# Altium PCB LaserControlBoard (extended).PcbDoc (part 1 of 4) (continued)
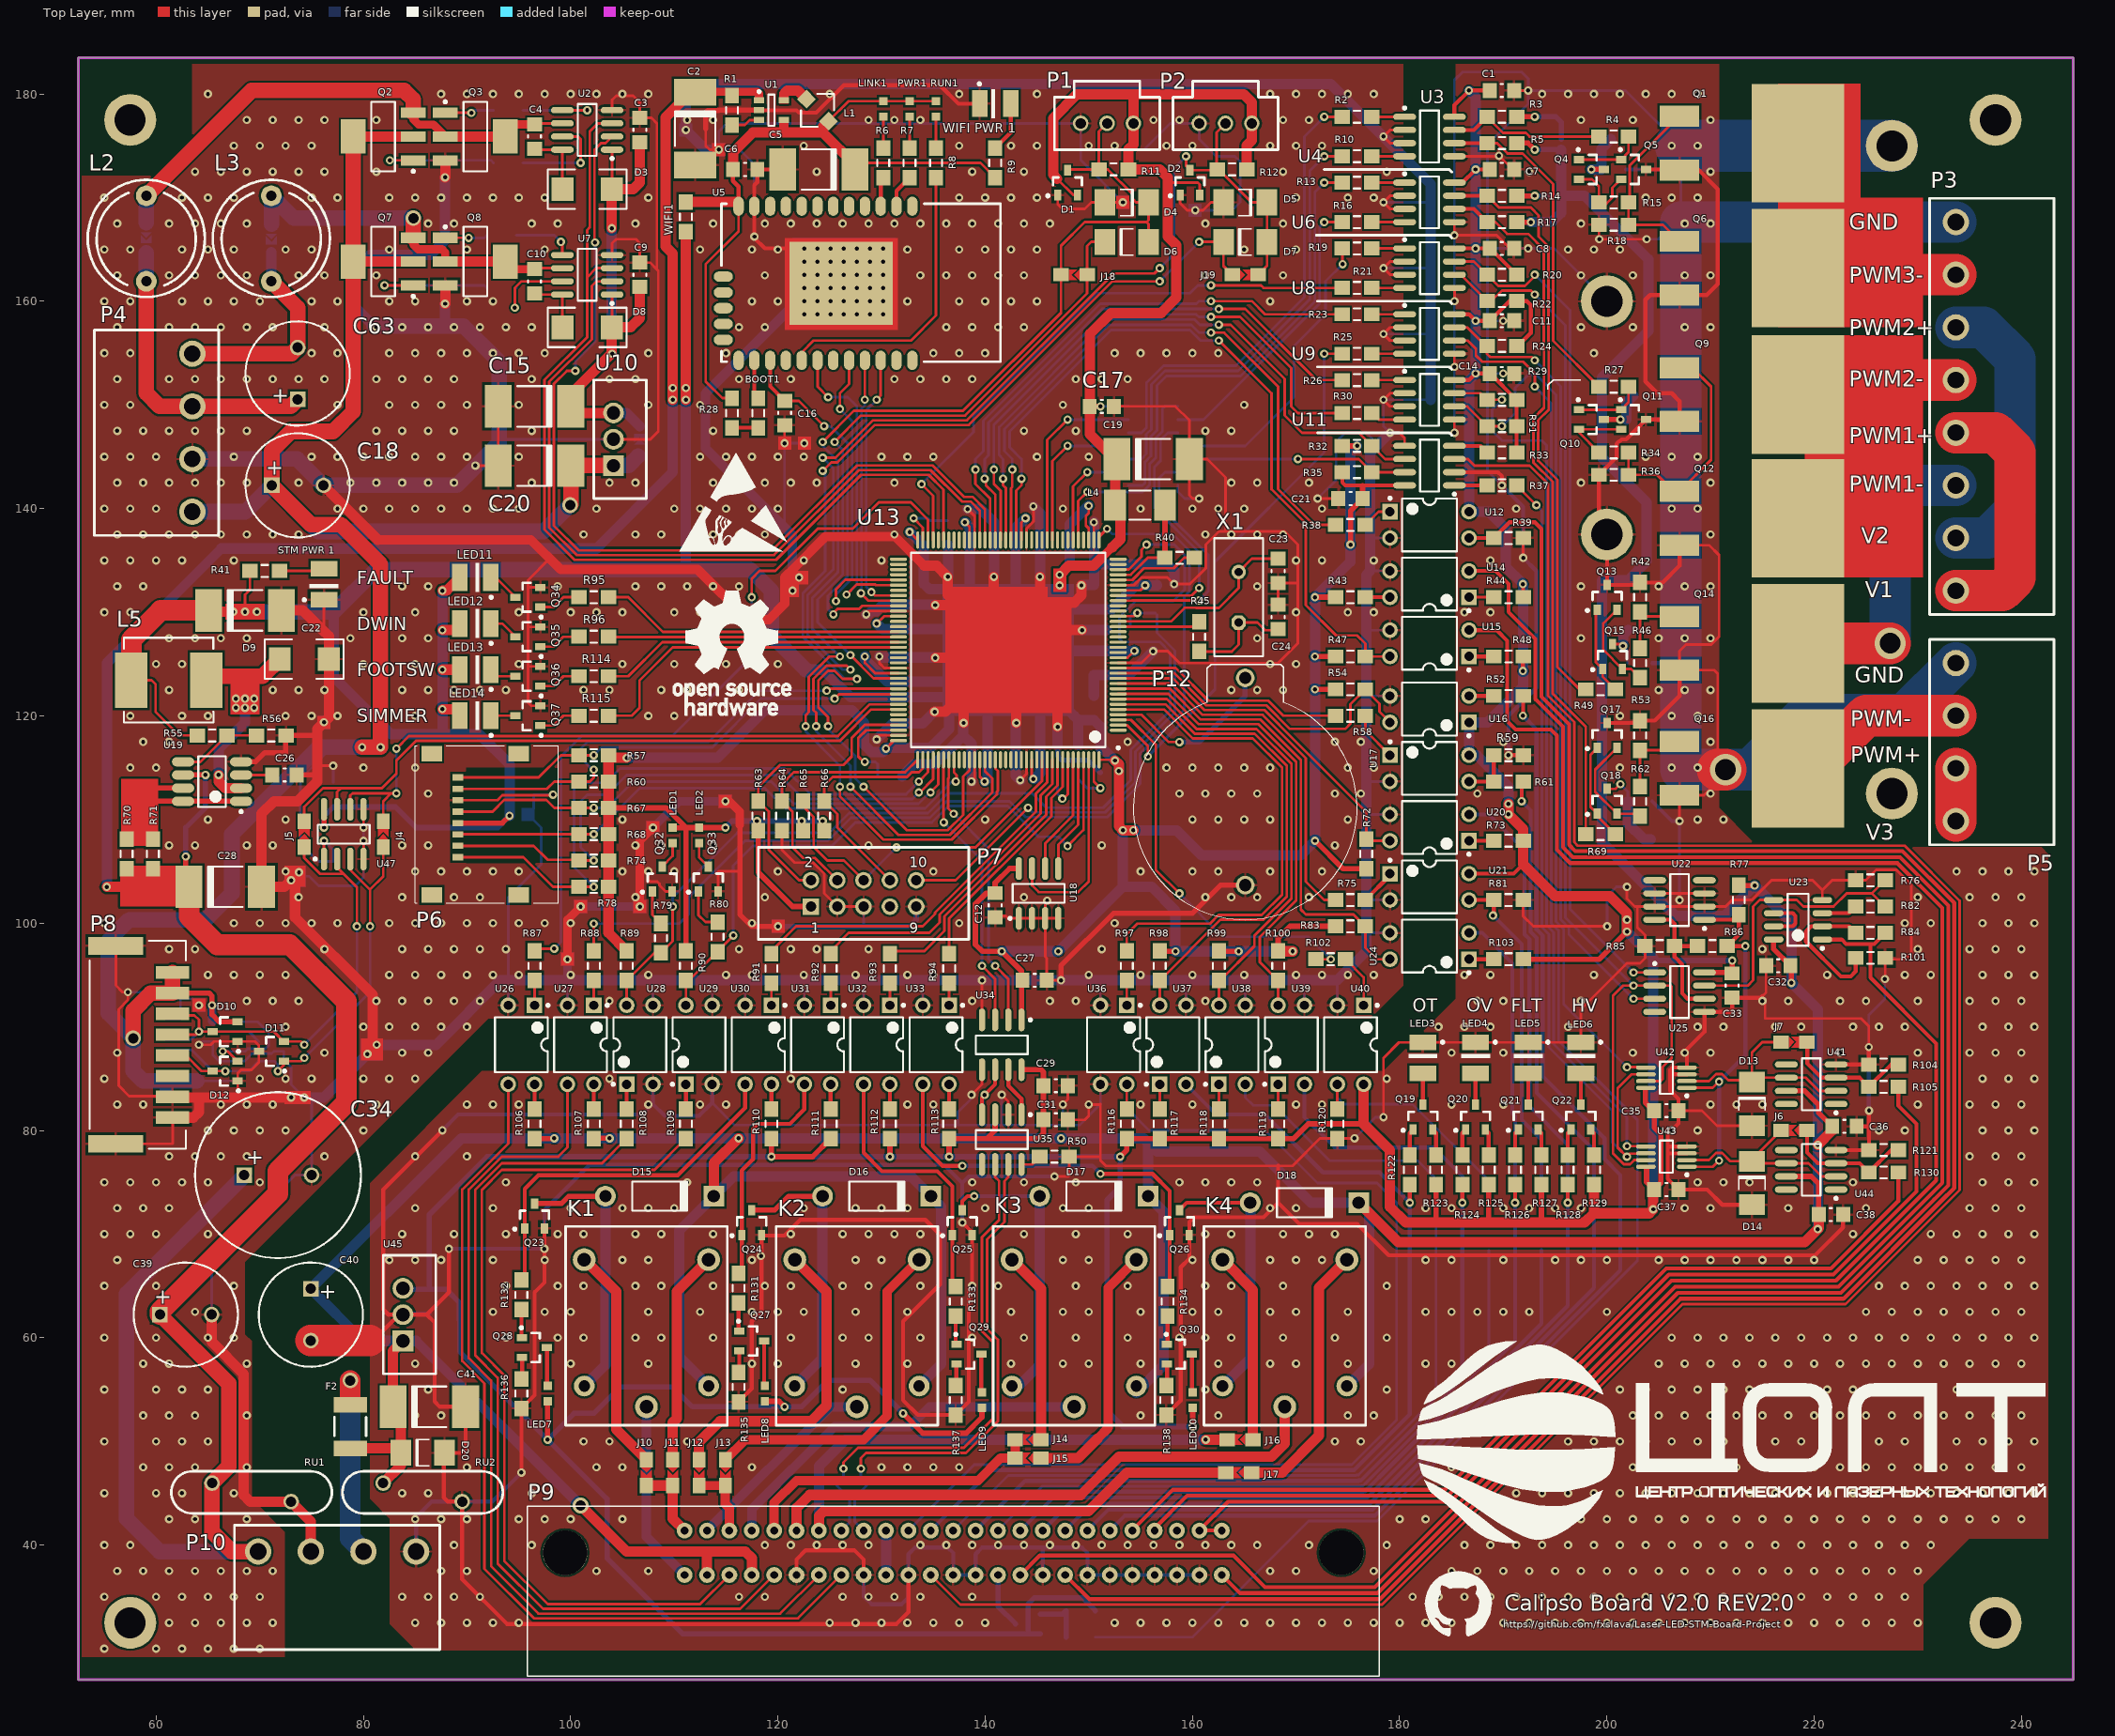
[diagram p0: Top Layer view]
## Components (designator, comment, footprint, x,y, rotation, side; value= is the part's Value field where it differs from the comment) (continued)
D4 "TVS Diode" DO-214AS 153.67,169.545 r180 top
D5 "TVS Diode" DO-214AS 165.1,169.545 r180 top
D6 "TVS Diode" DO-214AS 153.67,165.735 r0 top
D7 "TVS Diode" DO-214AS 165.1,165.735 r0 top
D8 "Diode chip" SMB1 101.6,157.48 r180 top
D9 "Diode chip" SMB1 74.295,125.476 r180 top
D10 "Diode Schottky" SOT23 66.675,89.535 r180 top
D11 "TVS" SOT23 71.12,87.63 r180 top
D12 "Diode Schottky" SOT23 66.675,85.725 r180 top
D13 "TVS Diode" DO-214AS 213.995,82.55 r270 top
D14 "TVS Diode" DO-214AS 213.995,74.93 r270 top
D15 "Diode 1N4007" DO-41 108.585,73.66 r0 top
D16 "Diode 1N4007" DO-41 129.54,73.66 r0 top
D17 "Diode 1N4007" DO-41 150.495,73.66 r0 top
D18 "Diode 1N4007" DO-41 170.815,73.025 r0 top
D20 "TVS Diode" DO-214AS 85.725,48.895 r0 top
D21 "Diode Schottky" SOT23 66.675,89.535 r0 bottom
D22 "TVS" SOT23 71.12,87.63 r0 bottom
D23 "Diode Schottky" SOT23 66.675,85.725 r180 bottom
F2 "Fuse" PTC1812 78.74,51.435 r90 top
J1 "12V Jumper" J0805 106.68,146.685 r90 bottom net-tie
J2 "" J0805 59.055,166.116 r270 bottom net-tie
J3 "" J0805 71.12,165.989 r270 bottom net-tie
J4 "Jumper" J0805 81.915,108.585 r90 top net-tie
J5 "Jumper" J0805 74.295,108.585 r90 top net-tie
J6 "Jumper" J0805 218.059,80.01 r180 top net-tie
J7 "Jumper" J0805 218.059,88.519 r0 top net-tie
J10 "Jumper" J0805 107.315,46.99 r270 top net-tie
J11 "Jumper" J0805 109.855,46.99 r270 top net-tie
J12 "Jumper" J0805 112.395,46.99 r270 top net-tie
J13 "Jumper" J0805 114.935,46.99 r270 top net-tie
J14 "Jumper" J0805 144.145,50.165 r180 top net-tie
J15 "Jumper" J0805 144.145,48.387 r180 top net-tie
J16 "Jumper" J0805 164.592,50.165 r180 top net-tie
J17 "Jumper" J0805 164.465,46.99 r180 top net-tie
J18 "Jumper" J0805 148.59,162.56 r180 top net-tie
J19 "Jumper" J0805 165.1,162.56 r0 top net-tie
K1 "Relay 1 pole" G5LA 107.315,53.34 r90 top
K2 "Relay 1 pole" G5LA 127.635,53.34 r90 top
K3 "Relay 1 pole" G5LA 148.59,53.34 r90 top
K4 "Relay 1 pole" G5LA 168.91,53.34 r90 top
L1 "Inductance" CDRH2D14 123.825,178.435 r90 top
L2 "Inductance" Inductor 59.055,170.18 r270 top
L3 "Inductance" Inductor 71.12,170.18 r270 top
L4 "Inductance" CM45 154.94,140.335 r0 top
L5 "Inductance" IHPL-3232 61.214,123.444 r0 top
L6 "Inductance" CM45 197.993,175.641 r0 bottom
L7 "Inductance" CM45 202.565,153.289 r90 bottom
L8 "Inductance" CM45 204.216,105.664 r270 bottom
L9 "Inductance" CM45 202.057,130.683 r90 bottom
LED1 "LED 0603" "LED 0603" 109.855,108.458 r90 top
LED2 "LED 0603" "LED 0603" 112.395,108.458 r90 top
LED3 "LED 0603" PLCC-2 182.245,86.995 r270 top
LED4 "LED 0603" PLCC-2 187.325,86.995 r270 top
LED5 "LED 0603" PLCC-2 192.405,86.995 r270 top
LED6 "LED 0603" PLCC-2 197.485,86.995 r270 top
LED7 "LED 0603" "LED 0603" 97.79,54.61 r270 top
LED8 "LED 0603" "LED 0603" 118.745,54.61 r270 top
LED9 "LED 0603" "LED 0603" 139.7,53.975 r270 top
LED10 "LED 0603" "LED 0603" 160.02,53.975 r270 top
LED11 "LED 0603" PLCC-2 90.805,133.35 r180 top
LED12 "LED 0603" PLCC-2 90.805,128.905 r180 top
LED13 "LED 0603" PLCC-2 90.805,124.46 r180 top
LED14 "LED 0603" PLCC-2 90.805,120.015 r180 top
LINK1 "LED 0603" "LED 0603" 130.175,178.562 r90 top
P1 "Header 3 Latch" "Header 3 latch" 151.765,177.165 r180 top
P2 "Header 3 Latch" "Header 3 latch" 163.195,177.165 r180 top
P3 "Terminal Block 8x5.08mm" "SOCKET 8x5.08" 233.68,149.86 r180 top
P4 "Terminal Block 4x5.08mm" "Socket 4x5.08" 63.5,147.32 r0 top
P5 "Terminal Block 4x5.08mm" "Socket 4x5.08" 233.68,117.475 r180 top
P6 "Micro SD Card Connector" "WR-CRD SD Micro" 94.996,116.332 r270 top
P7 "IDC-10MS (JTAG connector)" IDC-10MS(MR) 128.27,102.87 r0 top
P8 "FPC_Socket" "MOLEX Header 8 2mm Pitch" 61.595,88.265 r270 top
P9 "CENR-50M" CENR-50M 110.998,41.402 r0 top
P10 "Terminal Block 4x5.08mm" "Socket 4x5.08" 77.47,39.37 r90 top
P11 "FPC_Socket" "Molex FPC/FFC 10pin" 58.42,88.265 r90 bottom
P12 "BH810" BH810 165.1,113.665 r180 top
PWR1 "LED 0603" "LED 0603" 132.715,178.562 r90 top
Q1 "IRFZ44" TO-263AB 218.44,175.26 r270 top
Q2 "IRFL214" SOT-223_N 81.915,175.895 r180 top
Q3 "IRFL214" SOT-223_N 90.805,175.895 r0 top
Q4 "BC847" SOT23 198.501,172.72 r0 top
Q5 "BC857" SOT23 202.565,172.72 r0 top
Q6 "IRFZ44" TO-263AB 218.44,163.195 r270 top
Q7 "IRFL214" SOT-223_N 81.915,163.83 r180 top
Q8 "IRFL214" SOT-223_N 90.805,163.83 r0 top
Q9 "IRFZ44" TO-263AB 218.44,151.003 r270 top
Q10 "BC847" SOT23 198.501,148.59 r0 top
Q11 "BC857" SOT23 202.565,148.59 r0 top
Q12 "IRFZ44" TO-263AB 218.44,139.065 r270 top
Q13 "BC857" SOT23 200.025,131.445 r90 top
Q14 "IRFZ44" TO-263AB 218.44,127 r270 top
Q15 "BC847" SOT23 200.533,125.73 r90 top
Q16 "IRFZ44" TO-263AB 218.44,114.935 r270 top
Q17 "BC857" SOT23 200.025,118.11 r90 top
Q18 "BC847" SOT23 200.025,111.76 r90 top
Q19 "BC857" SOT23 182.245,81.28 r90 top
Q20 "BC857" SOT23 187.325,81.28 r90 top
Q21 "BC857" SOT23 192.405,81.28 r90 top
Q22 "BC857" SOT23 197.485,81.28 r90 top
Q23 "BC847" SOT23 96.52,71.755 r90 top
Q24 "BC847" SOT23 117.475,71.12 r90 top
Q25 "BC847" SOT23 137.795,71.12 r90 top
Q26 "BC847" SOT23 158.75,71.12 r90 top
Q27 "BC847" SOT23 117.475,59.69 r0 top
Q28 "BC847" SOT23 96.52,59.055 r0 top
Q29 "BC847" SOT23 138.43,58.42 r0 top
Q30 "BC847" SOT23 158.75,58.42 r0 top
Q31 "BC857" SOT23 144.145,32.385 r180 bottom
Q32 "BC847" SOT23 108.839,104.267 r90 top
Q33 "BC847" SOT23 113.284,104.267 r90 top
Q34 "BC847" SOT23 95.885,131.445 r180 top
Q35 "BC847" SOT23 95.885,127.635 r180 top
Q36 "BC847" SOT23 95.885,123.825 r180 top
Q37 "BC847" SOT23 95.885,120.015 r180 top
R1 "ChipRes" RES0805 115.57,178.435 r90 top
R2 "ChipRes" RES0805 175.895,177.8 r0 top
R3 "ChipRes" RES0805 189.865,177.8 r0 top
R4 "ChipRes" RES0805 200.66,175.895 r0 top
R5 "ChipRes" RES0805 189.865,175.26 r0 top
R6 "ChipRes" RES0805 130.175,173.355 r270 top
R7 "ChipRes" RES0805 132.715,173.355 r270 top
R8 "ChipRes" RES0805 135.255,173.355 r270 top
R9 "ChipRes" RES0805 140.97,173.355 r270 top
R10 "ChipRes" RES0805 175.895,173.99 r0 top
R11 "ChipRes" RES0805 152.4,172.72 r0 top
R12 "ChipRes" RES0805 163.83,172.72 r0 top
R13 "ChipRes" RES0805 175.895,171.45 r0 top
R14 "ChipRes" RES0805 189.865,170.18 r0 top
R15 "ChipRes" RES0805 200.66,169.545 r0 top
R16 "ChipRes" RES0805 175.895,167.64 r0 top
R17 "ChipRes" RES0805 189.865,167.64 r0 top
R18 "ChipRes" RES0805 200.66,167.386 r0 top
R19 "ChipRes" RES0805 175.895,165.1 r180 top
R20 "ChipRes" RES0805 189.865,162.56 r0 top
R21 "ChipRes" RES0805 175.895,161.29 r180 top
R22 "ChipRes" RES0805 189.865,160.02 r0 top
R23 "ChipRes" RES0805 175.895,158.75 r180 top
R24 "ChipRes" RES0805 189.865,155.702 r0 top
R25 "ChipRes" RES0805 175.895,154.94 r180 top
R26 "ChipRes" RES0805 175.895,152.4 r180 top
R27 "ChipRes" RES0805 200.66,151.765 r0 top
R28 "ChipRes" RES0805 115.57,149.225 r270 top
R29 "ChipRes" RES0805 189.865,150.495 r0 top
R30 "ChipRes" RES0805 175.895,149.225 r180 top
R31 "ChipRes" RES0805 189.865,147.955 r0 top
R32 "ChipRes" RES0805 175.895,146.05 r180 top
R33 "ChipRes" RES0805 189.865,145.415 r0 top
R34 "ChipRes" RES0805 200.66,145.415 r0 top
R35 "ChipRes" RES0805 175.895,143.51 r180 top
R36 "ChipRes" RES0805 200.66,143.256 r0 top
R37 "ChipRes" RES0805 189.865,142.24 r180 top
R38 "ChipRes" RES0805 175.26,138.43 r180 top
R39 "ChipRes" RES0805 190.5,137.16 r180 top
R40 "ChipRes" RES0805 158.75,135.255 r180 top
R41 "ChipRes" RES0805 70.485,133.985 r180 top
R42 "ChipRes" RES0805 203.2,131.445 r270 top
R43 "ChipRes" RES0805 175.26,131.445 r180 top
R44 "ChipRes" RES0805 190.5,131.445 r0 top
R45 "ChipRes" RES0805 160.655,127.635 r270 top
R46 "ChipRes" RES0805 203.2,125.095 r90 top
R47 "ChipRes" RES0805 175.26,125.73 r180 top
R48 "ChipRes" RES0805 190.5,125.73 r0 top
R49 "ChipRes" RES0805 199.39,122.555 r0 top
R50 "ChipRes" RES0805 146.685,77.47 r180 top
R51 "ChipRes" RES0805 127.127,45.72 r0 bottom
R52 "ChipRes" RES0805 190.5,121.92 r180 top
R53 "ChipRes" RES0805 203.2,118.11 r270 top
R54 "ChipRes" RES0805 175.26,122.555 r180 top
R55 "ChipRes" RES0805 65.405,118.11 r0 top
R56 "ChipRes" RES0805 71.12,118.11 r0 top
R57 "ChipRes" RES0805 102.235,116.205 r0 top
R58 "ChipRes" RES0805 175.26,120.015 r180 top
R59 "ChipRes" RES0805 190.5,116.205 r180 top
R60 "ChipRes" RES0805 102.235,113.665 r0 top
R61 "ChipRes" RES0805 190.5,113.665 r180 top
R62 "ChipRes" RES0805 203.2,111.76 r90 top
R63 "ChipRes" RES0805 118.11,110.363 r90 top
R64 "ChipRes" RES0805 120.396,110.363 r90 top
R65 "ChipRes" RES0805 122.428,110.363 r90 top
R66 "ChipRes" RES0805 124.46,110.363 r90 top
R67 "ChipRes" RES0805 102.235,111.125 r0 top
R68 "ChipRes" RES0805 102.235,108.585 r0 top
R69 "ChipRes" RES0805 199.39,108.585 r0 top
R70 "ChipRes" RES0805 57.15,106.68 r270 top
R71 "ChipRes" RES0805 59.69,106.68 r270 top
R72 "ChipRes" RES0805 176.784,106.68 r270 top
R73 "ChipRes" RES0805 190.5,107.95 r0 top
R74 "ChipRes" RES0805 102.235,106.045 r0 top
R75 "ChipRes" RES0805 175.26,102.235 r180 top
R76 "ChipRes" RES0805 225.425,104.14 r180 top
R77 "ChipRes" RES0805 212.725,102.235 r270 top
R78 "ChipRes" RES0805 102.235,103.505 r0 top
R79 "ChipRes" RES0805 108.712,98.552 r90 top
R80 "ChipRes" RES0805 114.173,98.679 r90 top
R81 "ChipRes" RES0805 190.5,102.235 r180 top
R82 "ChipRes" RES0805 225.425,101.6 r0 top
R83 "ChipRes" RES0805 175.26,99.695 r180 top
R84 "ChipRes" RES0805 225.425,99.06 r180 top
R85 "ChipRes" RES0805 205.105,97.79 r0 top
R86 "ChipRes" RES0805 210.185,97.79 r0 top
R87 "ChipRes" RES0805 96.519,95.885 r90 top
R88 "ChipRes" RES0805 102.235,95.885 r90 top
R89 "ChipRes" RES0805 105.409,95.885 r90 top
R90 "ChipRes" RES0805 111.125,95.885 r90 top
R91 "ChipRes" RES0805 119.38,95.631 r90 top
R92 "ChipRes" RES0805 125.095,95.631 r90 top
R93 "ChipRes" RES0805 130.81,95.631 r90 top
R94 "ChipRes" RES0805 136.525,95.631 r90 top
R95 "ChipRes" RES0805 102.235,131.445 r180 top
R96 "ChipRes" RES0805 102.235,127.635 r180 top
R97 "ChipRes" RES0805 153.67,95.885 r90 top
R98 "ChipRes" RES0805 156.845,95.885 r90 top
R99 "ChipRes" RES0805 162.56,95.885 r90 top
R100 "ChipRes" RES0805 168.275,95.885 r90 top
R101 "ChipRes" RES0805 225.425,96.647 r180 top
R102 "ChipRes" RES0805 173.355,96.52 r180 top
R103 "ChipRes" RES0805 190.5,96.52 r0 top
R104 "ChipRes" RES0805 226.695,86.36 r180 top
R105 "ChipRes" RES0805 226.695,84.201 r180 top
R106 "ChipRes" RES0805 96.519,80.645 r270 top
R107 "ChipRes" RES0805 102.235,80.645 r270 top
R108 "ChipRes" RES0805 105.409,80.645 r270 top
R109 "ChipRes" RES0805 111.125,80.645 r270 top
R110 "ChipRes" RES0805 119.379,80.645 r270 top
R111 "ChipRes" RES0805 125.094,80.645 r270 top
R112 "ChipRes" RES0805 130.809,80.645 r270 top
R113 "ChipRes" RES0805 136.524,80.645 r270 top
R114 "ChipRes" RES0805 102.235,123.825 r180 top
R115 "ChipRes" RES0805 102.235,120.015 r180 top
R116 "ChipRes" RES0805 153.67,80.645 r270 top
R117 "ChipRes" RES0805 156.845,80.645 r270 top
R118 "ChipRes" RES0805 162.56,80.645 r270 top
R119 "ChipRes" RES0805 168.275,80.645 r270 top
R120 "ChipRes" RES0805 173.99,80.645 r90 top
R121 "ChipRes" RES0805 226.695,78.105 r180 top
R122 "ChipRes" RES0805 180.975,76.2 r90 top
R123 "ChipRes" RES0805 183.515,76.2 r270 top
R124 "ChipRes" RES0805 186.055,76.2 r90 top
R125 "ChipRes" RES0805 188.595,76.2 r270 top
R126 "ChipRes" RES0805 191.135,76.2 r90 top
R127 "ChipRes" RES0805 193.675,76.2 r270 top
R128 "ChipRes" RES0805 196.215,76.2 r90 top
R129 "ChipRes" RES0805 198.755,76.2 r270 top
R130 "ChipRes" RES0805 226.695,75.946 r0 top
R131 "ChipRes" RES0805 116.205,64.77 r270 top
R132 "ChipRes" RES0805 95.25,64.135 r270 top
R133 "ChipRes" RES0805 137.16,63.5 r270 top
R134 "ChipRes" RES0805 157.607,63.5 r270 top
R135 "ChipRes" RES0805 116.205,55.245 r90 top
R136 "ChipRes" RES0805 95.25,54.61 r90 top
R137 "ChipRes" RES0805 137.16,53.975 r90 top
R138 "ChipRes" RES0805 157.48,53.975 r90 top
R147 "ChipRes" RES0805 93.98,178.435 r180 bottom
R148 "ChipRes" RES0805 93.98,173.355 r180 bottom
R149 "ChipRes" RES0805 93.345,166.37 r0 bottom
R150 "ChipRes" RES0805 93.345,161.29 r0 bottom
R151 "ChipRes" RES0805 156.591,131.191 r270 bottom
R152 "ChipRes" RES0805 148.99,115.765 r270 bottom
R153 "ChipRes" RES0805 146.99,115.765 r270 bottom
R154 "ChipRes" RES0805 193.675,69.85 r90 bottom
R155 "ChipRes" RES0805 188.595,69.85 r90 bottom
R156 "ChipRes" RES0805 149.225,33.655 r0 bottom
R157 "ChipRes" RES0805 149.225,31.115 r180 bottom
RU1 "Varistor S14F25" S14K25 69.215,45.085 r180 top
RU2 "Varistor S14F25" S14K25 85.725,45.085 r180 top
RUN1 "LED 0603" "LED 0603" 135.255,178.562 r90 top
"STM PWR 1" "LED" PLCC-2 76.2,132.715 r90 top
U1 "LM3671" SOT23-5 119.38,178.435 r0 top
U2 "IR2104" SOIC8 101.6,176.53 r180 top
U3 "HCPL0631" SOIC8 182.88,175.895 r0 top
U4 "HCPL0631" SOIC8 182.88,169.545 r0 top
U5 "SPWF01SA" SPWF01SA 116.205,154.305 r0 top
U6 "HCPL0631" SOIC8 182.88,163.195 r0 top
U7 "IR2104" SOIC8 101.6,162.56 r180 top
U8 "HCPL0631" SOIC8 182.88,156.845 r0 top
U9 "HCPL0631" SOIC8 182.88,150.495 r0 top
U10 "LM7812" TO-220 104.14,146.685 r90 top
U11 "HCPL0631" SOIC8 182.88,144.145 r180 top
U12 "Optoisolator1" DIP-4 182.88,138.43 r0 top
U13 "STM32F407" LQFP144 142.24,126.365 r180 top locked
U14 "Optoisolator1" DIP-4 182.88,132.715 r180 top
U15 "Optoisolator1" DIP-4 182.88,127 r180 top
U16 "Optoisolator1" DIP-4 182.88,120.65 r180 top
U17 "Optoisolator1" DIP-4 182.88,114.935 r0 top
U18 "M24256" SOIC8 145.161,102.87 r90 top
U19 "MC34063" SOP8 65.405,113.665 r180 top
U20 "Optoisolator1" DIP-4 182.88,109.22 r180 top
U21 "Optoisolator1" DIP-4 182.88,103.505 r0 top
U22 "TL431ACD" D008_N 207.01,102.235 r180 top
U23 "LM358AD" D008_L 218.44,100.33 r180 top
U24 "Optoisolator1" DIP-4 182.88,97.79 r180 top
U25 "TLC6515CD" SOIC8 207.01,93.345 r0 top
U26 "Optoisolator1" DIP-4 95.249,88.265 r270 top
U27 "Optoisolator1" DIP-4 100.965,88.265 r270 top
U28 "Optoisolator1" DIP-4 106.679,88.265 r90 top
U29 "Optoisolator1" DIP-4 112.395,88.265 r90 top
U30 "Optoisolator1" DIP-4 118.109,88.265 r270 top
U31 "Optoisolator1" DIP-4 123.824,88.265 r270 top
U32 "Optoisolator1" DIP-4 129.539,88.265 r270 top
U33 "Optoisolator1" DIP-4 135.254,88.265 r270 top
U34 "HCPL-0931" SOIC8 141.605,88.265 r270 top
U35 "MCP2551" SOIC8 141.605,79.121 r270 top
U36 "Optoisolator1" DIP-4 152.4,88.265 r270 top
U37 "Optoisolator1" DIP-4 158.115,88.265 r90 top
U38 "Optoisolator1" DIP-4 163.83,88.265 r90 top
U39 "Optoisolator1" DIP-4 169.545,88.265 r90 top
U40 "Optoisolator1" DIP-4 175.26,88.265 r270 top
U41 "MCP601" SOIC8 219.71,84.455 r180 top
U42 "MCP3201-CI/MS" MSOP8 205.74,85.09 r180 top
U43 "MCP3201-CI/MS" MSOP8 205.74,77.47 r180 top
U44 "MCP601" SOIC8 219.71,76.2 r180 top
U45 "LM7805" TO-220 83.82,62.23 r90 top
U46 "SN74AC04D" D014_N 156.21,146.05 r180 bottom
U47 "HCPL-0931" SOIC8 78.105,108.585 r90 top
WIFI1 "ChipRes" RES0805 111.125,168.148 r270 top
"WIFI PWR 1" "LED" PLCC-2 140.97,179.07 r0 top locked
X1 "XTAL" BCY-W2/E4.7 164.465,131.445 r90 top

## Footprints (in the part's own frame and the unit in brackets; to place one, negate y for a bottom-side part, rotate by r counter-clockwise, add the part's x,y. Pads: shape width x height; smd on the part's side, far side on the other; paste and mask are expansions set on the pad)
BCY-W2/E4.7 [mm] "Quartz Crystal, Thru-Hole; 2 Leads; Body 11.35 x 4.65 x 13.46 mm (LxWxH max)"
  oct 1.4x1.4 hole 0.8: 1(-2.44,0)
  round 1.4 hole 0.8: 2(2.44,0)
  silkscreen extent -5.7,-2.35 5.7,2.35, body extent -5.67,-2.32 5.68,2.33, height 3.6
BH810 [mm] "Battery Holder"
  round 1.8 hole 1.2: 1(0,10) 2(0,-10)
  silkscreen extent -10.79,-11.3 10.79,13.33, body extent -11,-11.21 11,13.29, height 8.5
CAP0805 [mm]
  rect 1.35x1.45 smd: 1(-1.175,0) 2(1.175,0)
  silkscreen extent -0.1,-0.63 0.1,0.63, body extent -1,-0.62 1,0.63, height 0.3
CAPC7343 [mm] "Chip Capacitor, Body 7.3x4.3mm, IPC Medium Density"
  rect 2.6x4.1 smd: 1(-3.5,0) 2(3.5,0)
  silkscreen extent -1.65,-1.95 1.65,1.95, body extent -3.8,-2.3 3.8,2.3, height 3.1
CAPPR5-10x17_1 [mm] "Capacitor, Electrolytic, Radial; Body 10 x 17 mm (Dia.xH typ); Pin Spacing 5 mm (typ)"
  rect 1.5x1.5 hole 1: 1(-2.5,0)
  round 1.5 hole 1: 2(2.5,0)
  silkscreen extent -5.02,-5.02 5.03,5.02, body extent -5.03,-5 5.03,5.05, height 13.03
CAPPR7.5-16x25_1 [mm] "Capacitor, Electrolytic, Radial; Body 16 x 25 mm (Dia.xH typ); Pin Spacing 7.5 mm (typ)"
  rect 1.5x1.5 hole 1: 1(-3.25,0)
  round 1.5 hole 1: 2(3.25,0)
  silkscreen extent -8,-8 8,8
CDRH2D14 [mm] "Chip Inductor, 2-Leads, Body 3.20x3.20x1.55mm"
  rect 1.3x1.3 smd rot 135: 1(-1.061,-1.061) 2(1.061,1.061)
  silkscreen extent -1.59,-1.59 1.59,1.59, body extent -1.54,-1.54 1.54,1.54, height 2
CENR-50M [mil] "Centronic 50pin, PCB mount, right angle"
  round 60 hole 30: 1(0,0) 2(85.04,0) 3(170.08,0) 4(255.12,0) 5(340.16,0) 6(425.2,0) 7(510.24,0) 8(595.28,0) 9(680.31,0) 10(765.35,0) 11(850.39,0) 12(935.43,0) 13(1020.47,0) 14(1105.51,0) 15(1190.55,0) 16(1275.59,0) 17(1360.63,0) 18(1445.67,0) 19(1530.71,0) 20(1615.75,0) 21(1700.79,0) 22(1785.83,0) 23(1870.87,0) 24(1955.91,0) 25(2040.94,0) 26(0,-168.9) 27(85.04,-168.9) 28(170.08,-168.9) 29(255.12,-168.9) 30(340.16,-168.9) 31(425.2,-168.9) 32(510.24,-168.9) 33(595.28,-168.9) 34(680.31,-168.9) 35(765.35,-168.9) 36(850.39,-168.9) 37(935.43,-168.9) 38(1020.47,-168.9) 39(1105.51,-168.9) 40(1190.55,-168.9) 41(1275.59,-168.9) 42(1360.63,-168.9) 43(1445.67,-168.9) 44(1530.71,-168.9) 45(1615.75,-168.9) 46(1700.79,-168.9) 47(1785.83,-168.9) 48(1870.87,-168.9) 49(1955.91,-168.9) 50(2040.94,-168.9)
  round 168.9 hole 168.9 unplated: NC(-453.94,-84.45) NC(2494.88,-84.45)
  silkscreen extent -598,-553 2639,93, body extent -720,-1548 2761,90, height 611
CM45 [mm]
  rect 2.1x2.99 smd: 1(-2.405,0) 2(2.405,0)
  silkscreen extent -1,-1.39 1,1.4, body extent -2.25,-1.59 2.25,1.61, height 3.2
D008_L [mm] "SOIC, 8-Leads, Body 4.9x3.9mm, Pitch 1.27mm, IPC High Density"
  oval 1.9x0.6 smd: 1(-2.35,1.905) 2(-2.35,0.635) 3(-2.35,-0.635) 4(-2.35,-1.905) 5(2.35,-1.905) 6(2.35,-0.635) 7(2.35,0.635) 8(2.35,1.905)
  silkscreen extent -2.48,-2.5 1,2.88, body extent -2,-2.5 2,2.5, height 1.75
D008_N [mm] "SOIC, 8-Leads, Body 4.9x3.9mm, Pitch 1.27mm, IPC Medium Density"
  oval 2.2x0.6 smd: 1(-2.4,1.905) 2(-2.4,0.635) 3(-2.4,-0.635) 4(-2.4,-1.905) 5(2.4,-1.905) 6(2.4,-0.635) 7(2.4,0.635) 8(2.4,1.905)
  silkscreen extent -2.53,-2.5 0.9,2.88, body extent -2,-2.5 2,2.5, height 1.75
D014_N [mm] "SOIC, 14-Leads, Body 8.7x3.9mm, Pitch 1.27mm, IPC Medium Density"
  oval 2.2x0.6 smd: 1(-2.4,3.81) 2(-2.4,2.54) 3(-2.4,1.27) 4(-2.4,0) 5(-2.4,-1.27) 6(-2.4,-2.54) 7(-2.4,-3.81) 8(2.4,-3.81) 9(2.4,-2.54) 10(2.4,-1.27) 11(2.4,0) 12(2.4,1.27) 13(2.4,2.54) 14(2.4,3.81)
  silkscreen extent -2.53,-4.4 0.9,4.78, body extent -3,-4.4 3,4.4, height 1.7
DIP-4 [mm] "DIP; 4 Leads; Row Spacing 7.62 mm; Pitch 2.54 mm"
  rect 1.5x1.5 hole 0.9: 1(-3.81,1.27)
  round 1.5 hole 0.9: 2(-3.81,-1.27) 3(3.81,-1.27) 4(3.81,1.27)
  silkscreen extent -3.93,-2.55 2.65,2.69, body extent -3.94,-2.3 3.94,2.3, height 4.3
DO-41 [mm] "Diode, Axial; Body 5.2 x 2.7 mm (LxDia. max), Lead Dia. 0.86 mm (max)"
  round 2 hole 1.2: 1(-5.23,0)
  rect 2x2 hole 1.2: 2(5.23,0)
  silkscreen extent -2.65,-1.4 2.75,1.4
DO-214AS [mm]
  rect 2x2.5 smd: 1(-2.1,0) 2(2.1,0)
  silkscreen extent -0.64,-1.27 0.64,1.27, body extent -2.74,-1.4 2.74,1.4, height 2.3
G5LA [mm] "Cubic, Single-pole 10A Power Relay"
  round 2.2 hole 1.3: 1(0,0) 3(14.2,6) 4(14.2,-6)
  round 2 hole 1.1: 2(2,6) 5(2,-6)
  silkscreen extent -1.78,-7.8 17.4,7.8, body extent -1.59,-7.95 17.91,7.95, height 15
"Header 3 latch" [mm]
  round 1.5 hole 1: 1(-2.54,0) 2(0,0) 3(2.54,0)
  silkscreen extent -5.08,-4.06 5.08,2.54, body extent -5.08,-4.06 5.08,2.54, height 13.6
IDC-10MS(MR) [mm]
  rect 1.6x1.6 hole 1: 1(-5.08,-1.27)
  round 1.6 hole 1: 2(-5.08,1.27) 3(-2.54,-1.27) 4(-2.54,1.27) 5(0,-1.27) 6(0,1.27) 7(2.54,-1.27) 8(2.54,1.27) 9(5.08,-1.27) 10(5.08,1.27)
  silkscreen extent -10.16,-4.44 10.16,4.44, body extent -10.2,-4.9 10.2,4.44, height 9.41
IHPL-3232 [mm] "Low Profile, High Current IHPL Inductor"
  rect 3.125x5.334 smd: 1(-3.613,0) 2(3.613,0)
  silkscreen extent -4.32,-4.09 4.32,4.09, body extent -4.32,-4.09 4.32,4.09, height 4
Inductor [mm]
  round 2 hole 1: 1(0,0) 2(8.255,0)
  silkscreen extent -1.53,-5.65 9.76,5.65
J0805 [mm]
  rect 1.5x1.25 smd: 0(-1.25,0) 1(1.25,0)
  Top Layer region: -0.254,0.508 0.254,0 -0.254,-0.508 0.508,-0.508 0.508,0.508
  Top Layer region: -0.508,-0.508 -0.508,0.508 0,0
  body extent -1,-0.63 1,0.63, height 0.75
"LED 0603" [mm]
  rect 0.8x0.8 smd: 1(-0.75,0) 2(0.75,0)
  body extent -0.85,-0.45 0.85,0.45, height 0.9
LQFP144 [mm] "TSQFP, 144-Leads, Body 20.00x20.00mm, Pitch 0.50mm, IPC Medium Density"
  oval 1.65x0.3 smd: 3(-10.6,7.75) 4(-10.6,7.25) 5(-10.6,6.75) 6(-10.6,6.25) 7(-10.6,5.75) 8(-10.6,5.25) 9(-10.6,4.75) 10(-10.6,4.25) 11(-10.6,3.75) 12(-10.6,3.25) 13(-10.6,2.75) 14(-10.6,2.25) 15(-10.6,1.75) 16(-10.6,1.25) 17(-10.6,0.75) 18(-10.6,0.25) 19(-10.6,-0.25) 20(-10.6,-0.75) 21(-10.6,-1.25) 22(-10.6,-1.75) 23(-10.6,-2.25) 24(-10.6,-2.75) 25(-10.6,-3.25) 26(-10.6,-3.75) 27(-10.6,-4.25) 28(-10.6,-4.75) 29(-10.6,-5.25) 30(-10.6,-5.75) 31(-10.6,-6.25) 32(-10.6,-6.75) 33(-10.6,-7.25) 34(-10.6,-7.75) 35(-10.6,-8.25) 36(-10.6,-8.75) 73(10.6,-8.75) 74(10.6,-8.25) 75(10.6,-7.75) 76(10.6,-7.25) 77(10.6,-6.75) 78(10.6,-6.25) 79(10.6,-5.75) 80(10.6,-5.25) 81(10.6,-4.75) 82(10.6,-4.25) 83(10.6,-3.75) 84(10.6,-3.25) 85(10.6,-2.75) 86(10.6,-2.25) 87(10.6,-1.75) 88(10.6,-1.25) 89(10.6,-0.75) 90(10.6,-0.25) 91(10.6,0.25) 92(10.6,0.75) 93(10.6,1.25) 94(10.6,1.75) 95(10.6,2.25) 96(10.6,2.75) 97(10.6,3.25) 98(10.6,3.75) 99(10.6,4.25) 100(10.6,4.75) 101(10.6,5.25) 102(10.6,5.75) 103(10.6,6.25) 104(10.6,6.75) 105(10.6,7.25) 106(10.6,7.75) 107(10.6,8.25) 108(10.6,8.75)
  oval 0.3x1.65 smd: 37(-8.75,-10.6) 38(-8.25,-10.6) 39(-7.75,-10.6) 40(-7.25,-10.6) 41(-6.75,-10.6) 42(-6.25,-10.6) 43(-5.75,-10.6) 44(-5.25,-10.6) 45(-4.75,-10.6) 46(-4.25,-10.6) 47(-3.75,-10.6) 48(-3.25,-10.6) 49(-2.75,-10.6) 50(-2.25,-10.6) 51(-1.75,-10.6) 52(-1.25,-10.6) 53(-0.75,-10.6) 54(-0.25,-10.6) 55(0.25,-10.6) 56(0.75,-10.6) 57(1.25,-10.6) 58(1.75,-10.6) 59(2.25,-10.6) 60(2.75,-10.6) 61(3.25,-10.6) 62(3.75,-10.6) 63(4.25,-10.6) 64(4.75,-10.6) 65(5.25,-10.6) 66(5.75,-10.6) 67(6.25,-10.6) 68(6.75,-10.6) 69(7.25,-10.6) 70(7.75,-10.6) 71(8.25,-10.6) 72(8.75,-10.6) 109(8.75,10.6) 110(8.25,10.6) 111(7.75,10.6) 112(7.25,10.6) 113(6.75,10.6) 114(6.25,10.6) 115(5.75,10.6) 116(5.25,10.6) 117(4.75,10.6) 118(4.25,10.6) 119(3.75,10.6) 120(3.25,10.6) 121(2.75,10.6) 122(2.25,10.6) 123(1.75,10.6) 124(1.25,10.6) 125(0.75,10.6) 126(0.25,10.6) 127(-0.25,10.6) 128(-0.75,10.6) 129(-1.25,10.6) 130(-1.75,10.6) 131(-2.25,10.6) 132(-2.75,10.6) 133(-3.25,10.6) 134(-3.75,10.6) 135(-4.25,10.6) 136(-4.75,10.6) 137(-5.25,10.6) 138(-5.75,10.6) 139(-6.25,10.6) 140(-6.75,10.6) 141(-7.25,10.6) 142(-7.75,10.6) 143(-8.25,10.6) 144(-8.75,10.6)
  silkscreen extent -10.73,-9.38 9.38,9.57, body extent -11.07,-11.05 11.07,11.1, height 1.6
"Molex FPC/FFC 10pin" [mm] "Molex FPC/FFC 10pin Non-ZIF Connector 10pin"
  rect 0.6x1.9 smd: 1(-4.5,2.54) 2(-3.5,2.54) 3(-2.5,2.54) 4(-1.5,2.54) 5(-0.5,2.54) 6(0.5,2.54) 7(1.5,2.54) 8(2.5,2.54) 9(3.5,2.54) 10(4.5,2.54)
  rect 2.1x2.8 smd: 11(-7.65,0.19) 12(7.65,0.19)
  silkscreen extent -8.25,-3.56 8.13,2.03, body extent -8.15,-3.53 8.15,3.27, height 3.1
"MOLEX Header 8 2mm Pitch" [mm] "CONN FFC FPC 10POS 0.50MM R/A"
  rect 1.2x3.2 smd: 1(-6.985,0) 2(-4.985,0) 3(-2.985,0) 4(-0.985,0) 5(1.015,0) 6(3.015,0) 7(5.015,0) 8(7.015,0)
  rect 1.7x5.3 smd: 9(-9.55,-5.48) 10(9.55,-5.48)
  silkscreen extent -10.03,-8 10.03,1.27, body extent -10,-8.07 10,1.33, height 6.41
MSOP8 [mm] "Surface mounted, 8 pin package"
  oval 1.9x0.41 smd: 1(-1.975,0.975) 2(-1.975,0.325) 3(-1.975,-0.325) 4(-1.975,-0.975) 5(1.975,-0.975) 6(1.975,-0.325) 7(1.975,0.325) 8(1.975,0.975)
  silkscreen extent -2.1,-1.55 0.63,1.87, body extent -2.45,-1.5 2.45,1.5, height 1.15
PLCC-2 [mm]
  rect 1.5x2.6 smd: 1(-1.5,0) 2(1.5,0)
  silkscreen extent -1.65,-1.4 0,2.03, body extent -1.75,-1.4 1.75,1.4, height 1.91
PTC1812 [mm] "Fuse PTC Thermoresistor"
  rect 1.5x3.2 smd: 1(-2.1,0) 2(2.1,0)
  silkscreen extent -0.89,-1.52 0.89,1.52, body extent -2.25,-1.6 2.25,1.6, height 0.68
RES0805 [mm] "Chip Resistor, 2-Leads, Body 3.40x1.30mm, IPC Medium Density"
  rect 1.5x1.35 smd: 1(-1.425,0) 2(1.425,0)
  silkscreen extent -0.3,-0.58 0.3,0.58, body extent -1.15,-0.67 1.15,0.68, height 0.76
S14K25 [mm] "Varistor"
  round 1.5 hole 1: 1(-3.81,0.889) 2(3.81,-0.889)
  silkscreen extent -7.75,-2.03 7.75,2.03, body extent -7.75,-2.1 7.75,2.1, height 18.5
SMB1 [mm] "SMBJ"
  rect 2.1x2.3 smd: 1(-2.375,0) 2(2.375,0)
  silkscreen extent -3.81,-1.91 3.81,1.91, body extent -2.7,-1.8 2.7,1.8, height 2.3
"Socket 4x5.08" [mm]
  round 2.54 hole 1.6: 1(0,7.62) 2(0,2.54) 3(0,-2.54) 4(0,-7.62)
  silkscreen extent -9.46,-9.91 2.54,9.91, body extent -9.97,-10.16 2.03,10.16, height 8.5
"SOCKET 8x5.08" [mm]
  round 2.54 hole 1.6: 1(0,17.78) 2(0,12.7) 3(0,7.62) 4(0,2.54) 5(0,-2.54) 6(0,-7.62) 7(0,-12.7) 8(0,-17.78)
  silkscreen extent -9.46,-20.07 2.54,20.07, body extent -9.97,-20.32 2.03,20.32, height 8.5
SOIC8 [mm] "SOIC, 8-Leads, Body 4,90x3,90mm, Pitch 1,27mm, IPC Medium Density"
  oval 2.2x0.6 smd: 1(-2.4,1.905) 2(-2.4,0.635) 3(-2.4,-0.635) 4(-2.4,-1.905) 5(2.4,-1.905) 6(2.4,-0.635) 7(2.4,0.635) 8(2.4,1.905)
  silkscreen extent -2.53,-2.5 0.9,2.88, body extent -3,-2.45 3,2.45, height 1.61
SOP8 [mm] "SOP, 8-Leads, Body 4.90x3.90mm, Pitch 1.27mm, IPC Medium Density"
  oval 2.15x0.9 smd: 1(-2.8,1.905) 2(-2.8,0.635) 3(-2.8,-0.635) 4(-2.8,-1.905) 5(2.8,-1.905) 6(2.8,-0.635) 7(2.8,0.635) 8(2.8,1.905)
  silkscreen extent -2.93,-2.45 1.33,3.03, body extent -2.99,-2.45 3,2.45, height 1.61
SOT23 [mm]
  rect 1x0.7 smd: 1(-1.2,0.95) 2(-1.2,-0.95) 3(1.2,0)
  silkscreen extent -1.4,-1.4 0.51,2.03, body extent -1.25,-1.5 1.25,1.5, height 1.09
SOT23-5 [mm] "SOT23, 5-Leads, Body 2.90x2.45mm, Pitch 0.95mm, IPC Medium Density"
  rect 1x0.6 smd: 1(-1.2,0.95) 2(-1.2,0) 3(-1.2,-0.95) 4(1.2,-0.95) 5(1.2,0.95)
  silkscreen extent -1.32,-1.5 0.3,1.92, body extent -1.4,-1.45 1.4,1.45, height 1.24
SOT-223_N [mm] "SOT223, 4-Leads, Body 6.5x3.5mm, Pitch 2.3mm, Lead Span 7mm, IPC Medium Density"
  rect 2.4x1 smd: 1(-2.9,2.3) 2(-2.9,0) 3(-2.9,-2.3)
  rect 2.4x3.3 smd: 4(2.9,0)
  silkscreen extent -3.03,-3.35 1.14,3.47, body extent -3.5,-3.25 3.5,3.25, height 1.7
SPWF01SA [mm] "Serial-to-Wi-Fi b/g/n intelligent module"
  rrect100% 1x1.85 smd: 1(0,0) 2(1.524,0) 3(3.048,0) 4(4.572,0) 5(6.096,0) 6(7.62,0) 7(9.144,0) 8(10.668,0) 9(12.192,0) 10(13.716,0) 11(15.24,0) 12(16.764,0) 13(16.764,14.87) 14(15.24,14.87) 15(13.716,14.87) 16(12.192,14.87) 17(10.668,14.87) 18(9.144,14.87) 19(7.62,14.87) 20(6.096,14.87) 21(4.572,14.87) 22(3.048,14.87) 23(1.524,14.87) 24(0,14.87)
  rect 10x8 smd: 25(9.9,7.435)
  rrect100% 1.85x1 smd: 26(-1.47,8.076) 27(-1.47,6.552) 28(-1.47,5.028) 29(-1.47,3.504) 30(-1.47,1.98)
  silkscreen extent -1.65,-0.13 25.27,15.11, body extent -1.65,-0.13 25.27,15.11, height 2.35
TO-220 [mm] "TO-220 Vertical Mount"
  rect 2x2 hole 1.3: 1(-2.54,0)
  round 2 hole 1.3: 2(0,0) 3(2.54,0)
  silkscreen extent -5.71,-3.18 5.71,1.91, body extent -5.33,-3.18 5.33,1.65, height 22.62
TO-263AB [mm]
  rect 2.03x3.81 smd: 1(-2.595,-11.43) 3(2.595,-11.43)
  rect 11.43x8.89 smd: 2(0,0)
  body extent -5,-12.61 5,3.06, height 4.81
"WR-CRD SD Micro" [mm] "WR-CRD SD Micro Header 8"
  rect 1.5x2 smd: 0(0,0) 0(0,-8.4) 0(13.6,0) 0(13.6,-8.4)
  rect 0.6x1.05 smd: 1(2.27,-5.87) 2(3.37,-5.87) 3(4.47,-5.87) 4(5.57,-5.87) 5(6.67,-5.87) 6(7.77,-5.87) 7(8.87,-5.87) 8(9.97,-5.87)
  silkscreen extent -0.8,-10 14.4,3.8, body extent -0.5,-9.9 14.1,3.8, height 1.77

## Part data
BOOT1 R1 R2 R3 R4 R5 R6 R7 R8 R9 R10 R11 R12 R13 R14 R15 R16 R17 R18 R19 R20 R21 R22 R23 R24 R25 R26 R27 R28 R29 R30 R31 R32 R33 R34 R35 R36 R37 R38 R39 R40 R41 R42 R43 R44 R45 R46 R47 R48 R49 R50 R51 R52 R53 R54 R55 R56 R57 R58 R59 R60 R61 R62 R63 R64 R65 R66 R67 R68 R69 R70 R71 R72 R73 R74 R75 R76 R77 R78 R79 R80 R81 R82 R83 R84 R85 R86 R87 R88 R89 R90 R91 R92 R93 R94 R95 R96 R97 R98 R99 R100 R101 R102 R103 R104 R105 R106 R107 R108 R109 R110 R111 R112 R113 R114 R115 R116 R117 R118 R119 R120 R121 R122 R123 R124 R125 R126 R127 R128 R129 R130 R131 R132 R133 R134 R135 R136 R137 R138 R147 R148 R149 R150 R151 R152 R153 R154 R155 R156 R157 WIFI1: "Chip resistor"
C1 C3 C4 C6 C7 C8 C9 C10 C11 C12 C13 C14 C16 C17 C21 C23 C24 C25 C26 C27 C29 C30 C31 C32 C33 C35 C36 C37 C38 C42 C43 C44 C45 C46 C47 C48 C49 C50 C51 C52 C53 C54 C55 C56 C57 C58 C59 C60 C61 C62: "Capacitor"
C2 C5 C15 C19 C20 C22 C28 C41: library part "Cap Pol Chip", "Polarized Capacitor (Radial)"
C18 C34 C39 C40 C63: "Polarized Capacitor (Radial)"
D1 D2 D10 D12 D21 D23: library part "Schottky Diode", "2-Diode Schottky"
D4 D5 D6 D7 D13 D14 D20: library part "TVS Diode SMA"
D11 D22: library part "TVS Diode", "Dual bidirectional voltage supresor"
D15 D16 D17 D18: "1 Amp General Purpose Rectifier"
F2: library part "Fuse PTC1812", "Fuse PTC 1812 Thermoresistor"
J1 J2 J3: library part Jumper, "Jumper"
K1 K2 K3 K4: library part "Relay G5LE", "Relay G5LE 10A Single Pole"
L1 L2 L3 L4 L5 L6 L7 L8 L9: library part ChipInductance
LED1 LED2 LED3 LED4 LED5 LED6 LED7 LED8 LED9 LED10 LED11 LED12 LED13 LED14 LINK1 PWR1 RUN1 "STM PWR 1" "WIFI PWR 1": library part LED0603
P1 P2: library part "Header 3 latch", "Header 3 with latch"
P3: library part Socket_8x5.08_RA_2Wall, "Terminal Block Socket Right Angle 8x5.08mm 2-Wall"
P4 P5 P10: library part Socket_4x5.08_RA_2Wall, "Terminal Block Socket Right Angle 4x5.08mm 2-Wall"
P6: library part MicroSDHeader8
Q1 Q6 Q9 Q12 Q14 Q16: "HEXFET N-Channel Power MOSFET"
Q2 Q3 Q7 Q8: "HEXFET Power MOSFET"
Q4 Q10 Q15 Q18 Q23 Q24 Q25 Q26 Q27 Q28 Q29 Q30 Q32 Q33 Q34 Q35 Q36 Q37: "NPN transistor"
Q5 Q11 Q13 Q17 Q19 Q20 Q21 Q22 Q31: "PNP Transistor"
RU1 RU2: library part "Varistor S14K25", "varistor"
U1: library part LM3671MF, "600-mA Step-Down DC-DC Converter"
U2 U7: "IR MOSFET Driver"
U3 U4 U6 U8 U9 U11: "2-channel opto-coupler"
U5: library part SPWF01, "Serial-to-Wi-Fi b/g/n intelligent module"
U10: library part LM7805, "Linear voltage regulator 1A"
U12 U14 U15 U16 U17 U20 U21 U24 U26 U27 U28 U29 U30 U31 U32 U33 U36 U37 U38 U39 U40: "4-Pin Phototransistor Optocoupler"
U13: library part STM32F407ZGT6, "ST Microcontroller ARM 32-bit Cortex M4"
U18: "256 Kbit I2C EEPROM"
U19: "DC/DC converter control circuit"
U22: "Adjustable Precision Shunt Regulator"
U23: "Dual Operational Amplifier"
U25: library part TLC6515, "10-bit analog to digiyal converter"
U34 U47: library part HCPL-0931-000E, "2-bit bi-direction optoisolated buffer"
U35: library part MCP2551-I/SN, "CAN Transceiver"
U41 U44: "Operational Amplifier"
U42 U43: "SAR 12-bit Analog-to-Digital  (A/D)"
U45: "Linear voltage regulator 1A"
U46: "Hex Inverter"
X1: library part "Crystall oscillator", "Quartz crystall oscillator"

## Free pads (board coordinates)
  round 5 hole 3: H(57.5,32.5) H(57.5,177.5) H(200,137.5) H(200,160) H(227.5,112.5) H(227.5,175) H(237.5,32.5) H(237.5,177.5)

## Via types
v1: diameter 0.8, hole 0.4, Top Layer to Bottom Layer, tented both sides, 1722 vias
v2: diameter 0.8, hole 0.4, Top Layer to Bottom Layer, 21 vias
v3: diameter 1.5, hole 1, Top Layer to Bottom Layer, 5 vias
v4: diameter 3, hole 2, Top Layer to Bottom Layer, 2 vias

## Nets (pads, with @x,y where several pads share a name; then routed paths per layer and width w, separated by ;. In a path a pad name is that pad's centre, name@x,y a point inside that pad or via, vN(x,y) a via of type N, cw(c..) or ccw(c..) an arc to the next point about the centre after c; other vN are vias at no path point)
5V: C2.1 C28.1 C34.1 C39.1 P10.1 R1.2 R70.2 R71.2 RU1.2 U1.1 U19.6 | length 287
  Top Layer w0.381: U1.1@118.18,179.385 118.18,179.705
  Top Layer w0.5: U19.6@62.605,114.3 v1(64.77,114.3) ; v1(62.865,106.426) 62.865,103.815 C28.1@63.175,103.505
  Top Layer w0.8: C2.1@113.792,180.21 117.986,180.21 118.18,180.016 118.18,179.705
  Top Layer w1: v1(55.245,103.505) 57.658,103.505 ; v1(109.855,150.495) v1(109.855,151.638) 109.855,164.592 109.158,165.289 109.158,177.738 111.63,180.21 C2.1@113.792,180.21
  Top Layer w1.5: C39.1@60.365,62.23 67.003,55.592 67.003,47.572 RU1.2@65.405,45.974 65.405,41.275 67.31,39.37 P10.1@69.85,39.37
  Top Layer w2: C39.1@60.365,62.23 60.365,62.524 71.755,73.914 71.755,76.073 78.359,82.677 78.359,92.456 72.898,97.917 65.913,97.917 63.175,100.655 C28.1@63.175,103.505
  Bottom Layer w0.5: v1(62.865,106.426) 62.865,109.22 64.77,111.125 v1(64.77,114.3)
  Bottom Layer w1: v1(55.245,103.505) 55.245,125.095 66.294,136.144 102.489,136.144 109.855,143.51 v1(109.855,150.495) v1(109.855,151.638)
  Bottom Layer w1.5: C34.1@68.505,75.617 57.15,64.262 57.15,42.545 60.325,39.37 P10.1@69.85,39.37